# KiCad board handheld.kicad_pcb (continued)
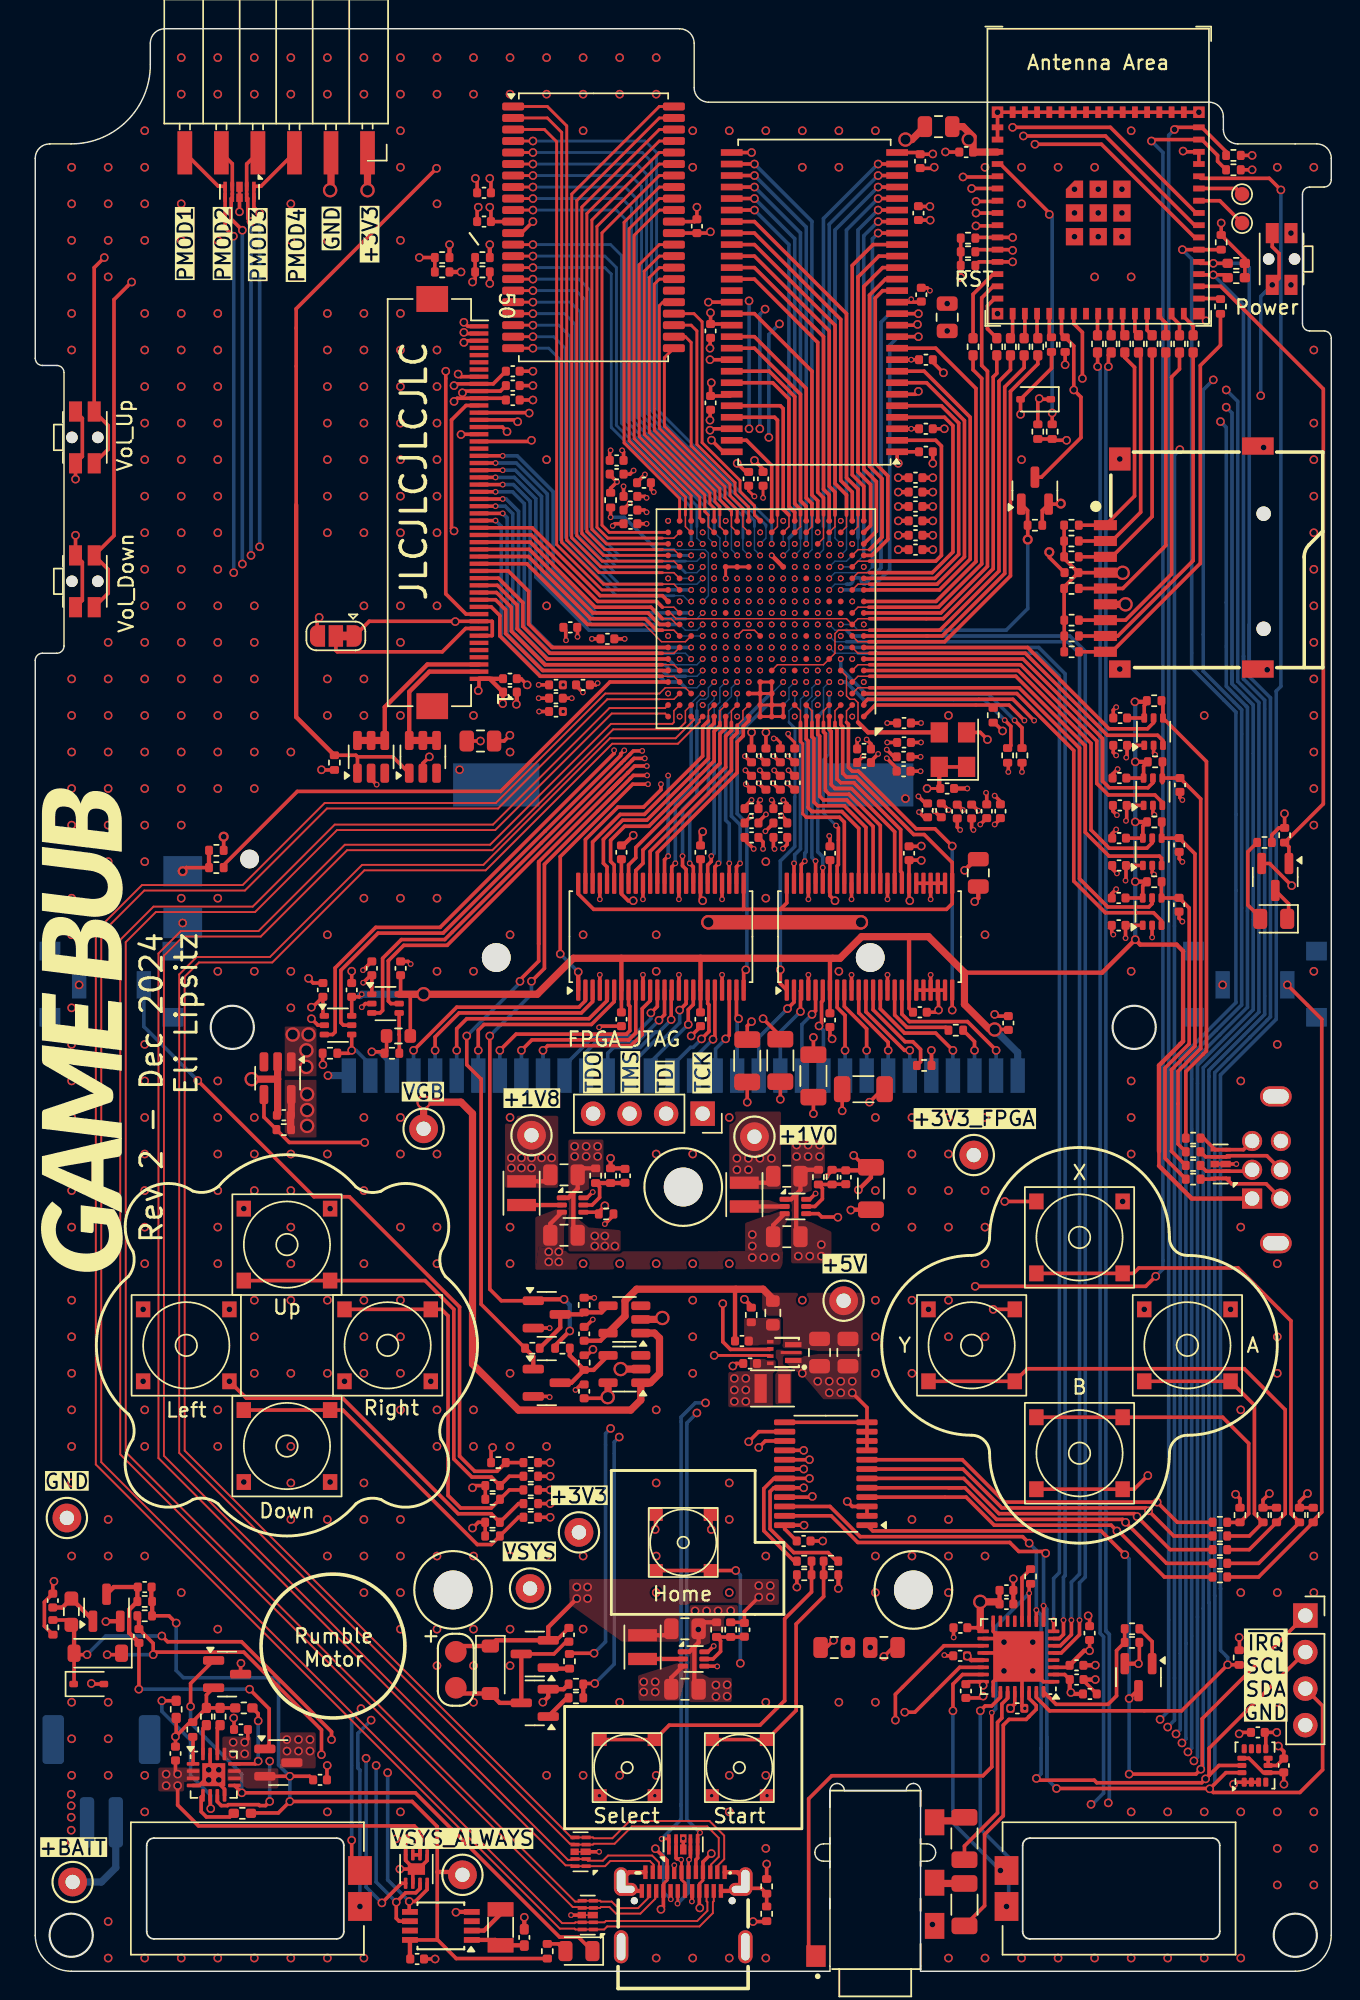
[diagram p0: board, top side]
## Routing (per net, layer and track width the routed paths; a pad name or vN(x,y) marks a point on that pad's centre or on a via; arc(x,y) is an arc through that point) (continued)
/Game Boy Interfaces/Game Boy Cartridge/Cart_A19: length 14.2
  F.Cu (SIG) w0.25: U1902.8 41.25,67.15 41.34,67.06 41.34,65.37 41.1,65.13 33.43,65.13 v1(32.3,64)
  B.Cu (SIG) w0.25: J1901.25 v1(32.3,64)
/Game Boy Interfaces/Game Boy Cartridge/Cart_A20: length 14.2
  F.Cu (SIG) w0.25: U1902.6 40.25,67.38 38.67,65.8 31.2,65.8 30.8,65.4 v1(30.8,64)
  B.Cu (SIG) w0.25: J1901.26 v1(30.8,64)
/Game Boy Interfaces/Game Boy Cartridge/Cart_A21: length 15.2
  F.Cu (SIG) w0.25: U1902.5 39.75,67.45 38.5,66.2 30,66.2 29.3,65.5 v1(29.3,64)
  B.Cu (SIG) w0.25: J1901.27 v1(29.3,64)
/Game Boy Interfaces/Game Boy Cartridge/Cart_A22: length 15.5
  F.Cu (SIG) w0.25: U1902.3 38.75,67.38 37.97,66.6 29.47,66.6 27.8,64.93 v1(27.8,64)
  B.Cu (SIG) w0.25: J1901.28 v1(27.8,64)
/Game Boy Interfaces/Game Boy Cartridge/Cart_A23: length 15.9
  F.Cu (SIG) w0.25: U1902.2 38.25,67.45 37.8,67 29.3,67 v1(26.3,64)
  B.Cu (SIG) w0.25: J1901.29 v1(26.3,64)
/Game Boy Interfaces/Game Boy Cartridge/Cart_AD0: length 7.4
  F.Cu (SIG) w0.25: v1(60.8,64) 60.43,64 57.75,66.68 U1904.12
  B.Cu (SIG) w0.25: J1901.6 v1(60.8,64)
/Game Boy Interfaces/Game Boy Cartridge/Cart_AD1: length 6.8
  F.Cu (SIG) w0.25: U1904.11 57.25,66.61 59.3,64.56 v1(59.3,64)
  B.Cu (SIG) w0.25: J1901.7 v1(59.3,64)
/Game Boy Interfaces/Game Boy Cartridge/Cart_AD2: length 6.6
  F.Cu (SIG) w0.25: v1(57.8,64) 57.8,65.5 56.25,67.05 U1904.9
  B.Cu (SIG) w0.25: J1901.8 v1(57.8,64)
/Game Boy Interfaces/Game Boy Cartridge/Cart_AD3: length 6.2
  F.Cu (SIG) w0.25: U1904.8 55.75,66.98 56.3,66.43 v1(56.3,64)
  B.Cu (SIG) w0.25: J1901.9 v1(56.3,64)
/Game Boy Interfaces/Game Boy Cartridge/Cart_AD4: length 6.2
  F.Cu (SIG) w0.25: v1(54.49,65.7) 54.66,65.87 54.66,67.37 54.75,67.45 U1904.6
  B.Cu (SIG) w0.25: v1(54.49,65.7) 54.8,65.39 J1901.10
/Game Boy Interfaces/Game Boy Cartridge/Cart_AD5: length 6.3
  F.Cu (SIG) w0.25: v1(54,66.5) 54.25,66.75 U1904.5
  B.Cu (SIG) w0.25: v1(54,66.5) 53.3,65.8 J1901.11
/Game Boy Interfaces/Game Boy Cartridge/Cart_AD6: length 6.5
  F.Cu (SIG) w0.25: v1(53.2,66.7) 53.2,68.14 U1904.3
  B.Cu (SIG) w0.25: v1(53.2,66.7) 51.8,65.3 J1901.12
/Game Boy Interfaces/Game Boy Cartridge/Cart_AD7: length 7
  F.Cu (SIG) w0.25: U1904.2 52.75,67.35 v1(52.3,66.9)
  B.Cu (SIG) w0.25: J1901.13 50.3,64.9 v1(52.3,66.9)
/Game Boy Interfaces/Game Boy Cartridge/Cart_AD8: length 6
  F.Cu (SIG) w0.25: v1(48.9,66.2) 48.75,66.35 U1902.23
  B.Cu (SIG) w0.25: J1901.14 48.8,66.1 v1(48.9,66.2)
/Game Boy Interfaces/Game Boy Cartridge/Cart_AD9: length 6.3
  F.Cu (SIG) w0.25: U1902.22 48.25,65.05 v1(48,64.8)
  B.Cu (SIG) w0.25: v1(48,64.8) 47.3,64.1 J1901.15
/Game Boy Interfaces/Game Boy Cartridge/Cart_AD10: length 6.5
  F.Cu (SIG) w0.25: U1902.20 47.25,64.9 v1(47.12,64.77)
  B.Cu (SIG) w0.25: J1901.16 45.8,63.45 v1(47.12,64.77)
/Game Boy Interfaces/Game Boy Cartridge/Cart_AD11: length 7.1
  F.Cu (SIG) w0.25: v1(46.32,64.79) 46.84,65.31 46.84,67.17 46.75,67.25 U1902.19
  B.Cu (SIG) w0.25: J1901.17 44.3,62.95 45.56,64.21 45.73,64.21 v1(46.32,64.79)
/Game Boy Interfaces/Game Boy Cartridge/Cart_AD12: length 6.2
  F.Cu (SIG) w0.25: U1902.17 45.75,67.18 45.4,66.83 v1(45.4,65.8)
  B.Cu (SIG) w0.25: 42.8,63.2 v1(45.4,65.8)
/Game Boy Interfaces/Game Boy Cartridge/Cart_AD13: length 7.2
  F.Cu (SIG) w0.25: v1(44.8,66.8) 45.25,67.25 U1902.16
  B.Cu (SIG) w0.25: v1(44.8,66.8) 44.8,65.91 43.59,64.7 43.1,64.7 41.3,62.9
/Game Boy Interfaces/Game Boy Cartridge/Cart_AD14: length 9
  F.Cu (SIG) w0.25: v1(44.21,66.14) 44.21,68.15 U1902.14
  B.Cu (SIG) w0.25: J1901.20 39.8,63.8 40.2,64.2 42.04,64.2 43.12,65.28 43.37,65.28 44.21,66.13 v1(44.21,66.14)
/Game Boy Interfaces/Game Boy Cartridge/Cart_AD15: length 9.9
  F.Cu (SIG) w0.25: U1902.13 43.75,66.48 v1(43.36,66.09)
  B.Cu (SIG) w0.25: v1(43.36,66.09) 41.87,64.6 39.02,64.6 38.3,63.88 J1901.21
/Game Boy Interfaces/Game Boy Cartridge/Cart_PHI: length 11
  F.Cu (SIG) w0.25: v1(66.8,64) 66.8,64.01 64.81,66 60.77,66 60.25,66.52 U1904.17
  B.Cu (SIG) w0.25: J1901.2 v1(66.8,64)
/Game Boy Interfaces/Game Boy Cartridge/Cart_VIN: length 3.9
  F.Cu (SIG) w0.25: U1903.4 v1(22,64) 21.8,63.8 R1903.2
  B.Cu (SIG) w0.25: 23.3,63 22.3,64 v1(22,64)
/Game Boy Interfaces/Game Boy Cartridge/Cart_~{CS1}: length 7
  F.Cu (SIG) w0.25: U1904.13 58.25,66.82 60.47,64.6 61.01,64.6 61.55,64.06 61.55,63.21 R1902.1
/Game Boy Interfaces/Game Boy Cartridge/Cart_~{CS1}_d: length 2.8
  F.Cu (SIG) w0.25: v1(62.3,64) 62.31,63.99 R1902.2
  B.Cu (SIG) w0.25: J1901.5 v1(62.3,64)
/Game Boy Interfaces/Game Boy Cartridge/Cart_~{CS2}: length 2.8
  F.Cu (SIG) w0.25: U1901.4 25.3,65.1 25.31,65.09 R1905.2
/Game Boy Interfaces/Game Boy Cartridge/Cart_~{CS2}_d: length 3.6
  F.Cu (SIG) w0.25: v1(23.4,63.9) 24.19,63.9 ; R1904.2 24.42,63.94
  B.Cu (SIG) w0.25: 24.8,62.95 23.85,63.9 v1(23.4,63.9)
/Game Boy Interfaces/Game Boy Cartridge/Cart_~{RD}: length 9.3
  F.Cu (SIG) w0.25: v1(63.8,64) 62.6,65.2 60.44,65.2 58.75,66.89 U1904.14
  B.Cu (SIG) w0.25: J1901.4 v1(63.8,64)
/Game Boy Interfaces/Game Boy Cartridge/Cart_~{WR}: length 5.9
  F.Cu (SIG) w0.25: R1901.2 63.29,65.6 60.6,65.6 59.75,66.45 U1904.16
/Game Boy Interfaces/Game Boy Cartridge/Cart_~{WR}_d: length 3.5
  F.Cu (SIG) w0.25: R1901.1 65.3,64.61 v1(65.3,64)
  B.Cu (SIG) w0.25: J1901.3 v1(65.3,64)
/Game Boy Interfaces/Game Boy Link/Link_SC: length 32.2
  F.Cu (SIG) w0.25: R2004.2 79.99,62.52 81.43,63.96 81.43,84.08 U2004.4 78.4,88.21 78.38,88.22
/Game Boy Interfaces/Game Boy Link/Link_SC_a: length 4.2
  F.Cu (SIG) w0.25: J2001.5 84,57.1 D2001.5 D2001.6 81.22,57.9 R2004.1
/Game Boy Interfaces/Game Boy Link/Link_SD: length 30.1
  F.Cu (SIG) w0.25: R2006.2 78.35,84.04 U2002.4 ; R2003.2 79.44,57.5 79.44,60.3 79.45,60.3 79.45,62.55 81.03,64.12 81.03,81.48 C2001.1 U2002.4 ; U2002.4 78.35,82.6
/Game Boy Interfaces/Game Boy Link/Link_SD_a: length 6.2
  F.Cu (SIG) w0.25: J2001.4 85.62,56.67 82.88,56.67 D2001.4 D2001.7 81.36,56.6 R2003.1
/Game Boy Interfaces/Game Boy Link/Link_SI: length 26.9
  F.Cu (SIG) w0.25: R2007.2 78.31,79.86 U2003.4 ; U2003.4 78.31,78.54 ; U2003.4 79.53,78.75 C2002.1 80.62,77.66 80.62,64.29 79,62.66 79,56.99 R2002.2
/Game Boy Interfaces/Game Boy Link/Link_SI_a: length 3.8
  F.Cu (SIG) w0.25: J2001.3 84.5,55.6 D2001.2 D2001.9 81.41,55.6 R2002.1
/Game Boy Interfaces/Game Boy Link/Link_SO: length 23.5
  F.Cu (SIG) w0.25: R2005.2 78.29,75.7 U2001.4 79.51,74.59 C2003.1 80.22,73.89 80.22,64.45 78.55,62.78 78.55,56.49 R2001.2
/Game Boy Interfaces/Game Boy Link/Link_SO_a: length 6.2
  F.Cu (SIG) w0.25: J2001.2 85.57,54.72 83.18,54.72 D2001.1 D2001.10 81.97,55.05 R2001.1
/Game Boy Interfaces/SW_Cartridge_s: length 3.1
  F.Cu (SIG) w0.25: v4(10.25,76.45) 10.5,76.7 R1803.2
  F.Cu (SIG) w0.3: R1805.1 R1803.2
/Game Boy Interfaces/VGB_3V3_SW_En: length 6
  F.Cu (SIG) w0.3: R1804.2 37.16,42.79 R1806.2 ; R1806.2 38.81,41.79 39.82,42.8 ; R1806.2 37.27,40.9 Q1802.3
/Game Boy Interfaces/VGB_5V_SW_En: length 6.5
  F.Cu (SIG) w0.3: R1801.2 36.5,44.73 Q1801.3 38.02,45.65 R1802.2 39.37,45.79 39.82,46.25
/LCD/Backlight_Cathode_1: length 10.7
  F.Cu (SIG) w0.3: U1301.6 26,88.92 27.4,90.32 J1301.2
  F.Cu (SIG) w0.5: U1301.4 U1301.5 U1301.6
/LCD/Backlight_Cathode_2: length 12
  F.Cu (SIG) w0.3: U1302.4 24.3,87.86 27.26,90.82 J1301.3
  F.Cu (SIG) w0.5: U1302.6 U1302.5 U1302.4
/LCD/LCD_IM1: length 11.7
  F.Cu (SIG) w0.25: JP1301.2 20.9,91.8 21,91.7 28.3,91.7 29.92,93.32 J1301.8
/Peripherals/RTC_OSCI: length 3.8
  F.Cu (SIG) w0.3: U1502.1 31.97,2.18 Y1501.1 33.98,1.8 C1505.2
/Peripherals/RTC_OSCO: length 2.8
  F.Cu (SIG) w0.3: Y1501.2 32.35,3.97 31.2,2.82 30.35,2.82
/Peripherals/Vibrate_FET_g: length 2
  F.Cu (SIG) w0.3: R1503.2 36.97,19 Q1502.1
/Peripherals/Vibrate_N: length 12
  F.Cu (SIG) w0.25: Q1501.3 36.06,22.05 36.91,22.9 C1503.1
  F.Cu (SIG) w0.3: J1501.2 29.64,19.3 D1501.2 32.29,18.65 Q1502.3 Q1501.3
/Peripherals/~{Vibrate_Brake}_g: length 1.5
  F.Cu (SIG) w0.3: R1502.2 35.74,21.03 Q1501.1
/Power Path/BTN_Power_s: length 196.2
  F.Cu (SIG) w0.25: v1(19.9,15.05) 19.9,16.78 14.5,22.18 8.38,22.18 v1(8.2,22) 8.2,22.79 C207.2 ; D204.1 5.9,22 v1(5,22) ; SW201.1 86,119.85 86.47,119.38 86.47,117.67 v1(86,117.2)
  F.Cu (SIG) w0.3: C207.2 7.21,24.59
  In2.Cu (SIG) w0.25: v1(82.8,108.7) 84.4,108.7 v1(85.2,109.5) ; v1(19.9,15.05) 20.34,15.49 77.14,15.49 78.01,14.62 v1(80.55,14.62)
  B.Cu (SIG) w0.25: v1(80.55,14.62) 80.8,14.86 80.8,62.95 84.68,66.83 84.68,88 83.2,89.48 83.2,90.2 ; v1(8.2,22) v1(5,22) ; 83.2,90.2 83.2,89.5 ; 83.2,90.2 83.2,108.3 v1(82.8,108.7) ; v1(85.2,109.5) 85.2,116.4 v1(86,117.2)
/Power Path/Charge_LED_A: length 1.5
  F.Cu (SIG) w0.25: D201.2 36.36,1.9 R207.2
/Power Path/PWR_EN1: length 10.8
  F.Cu (SIG) w0.25: U202.6 12.16,11.34 v1(12.2,11.3) ; v1(8.8,18.8) R202.2
  B.Cu (SIG) w0.25: v1(8.8,18.8) 8.8,18.06 10.8,16.06 10.8,13.61 12.2,12.21 v1(12.2,11.3)
/Power Path/PWR_EN2: length 3.7
  F.Cu (SIG) w0.25: U202.5 11.54,12.1 11.54,11.09 11.9,10.72 13.53,10.72 13.8,11
/Power Path/PWR_ILIM: length 5.6
  F.Cu (SIG) w0.25: v1(15.5,17.4) 15.5,17.9 R205.1 ; v1(15.5,14.6) 15.31,14.41 U202.12
  B.Cu (SIG) w0.25: v1(15.5,14.6) v1(15.5,17.4)
/Power Path/PWR_ISET: length 2.1
  F.Cu (SIG) w0.25: R206.2 11.66,16.86 U202.16
/Power Path/PWR_SW_nFET_g: length 3.7
  F.Cu (SIG) w0.3: C205.2 1.89,25.28 R212.1 4.01,24.4
/Power Path/PWR_SW_pFET_g: length 22.5
  F.Cu (SIG) w0.25: v1(14.9,19.6) 16.26,18.24 16.26,15.75 Q202.1 ; v1(7.2,19.6) 7.21,19.61 C207.1
  F.Cu (SIG) w0.3: Q203.3 5.46,26.7 C206.2 ; 7.21,22.84 6.53,23.52 6.53,25.13 R210.2 7.1,26.67
  B.Cu (SIG) w0.25: v1(14.9,19.6) v1(7.2,19.6)
/Power Path/PWR_TMR: length 2.1
  F.Cu (SIG) w0.25: U202.14 12.66,16.91 R201.1
/Power Path/PWR_TS: length 1.9
  F.Cu (SIG) w0.25: R204.1 10.97,16.27 U202.1
/Power Path/~{CHG}: length 41
  F.Cu (SIG) w0.25: v1(10.8,18.4) 10.8,20 Q201.1 ; U202.9 v1(14.36,12.4) 26.42,12.4 36.45,2.38 37.76,2.38 D201.1
  B.Cu (SIG) w0.25: v1(14.36,12.4) 14.36,13.7 10.8,17.26 v1(10.8,18.4)
/Power Path/~{POWER_SW_a}: length 201.3
  F.Cu (SIG) w0.25: 2.51,24.07 2.17,24.41 R211.2 ; v1(68.5,108.2) D202.2 70.65,111.4 R213.1 ; v1(3.6,22) 2.8,22 D204.2 2.7,19.99 D203.1 ; v1(8.8,23.3) 9.2,22.9 14.34,22.9 20.6,16.64 v1(20.6,16.1)
  F.Cu (SIG) w0.3: D204.2 2.7,23.88
  In2.Cu (SIG) w0.25: v1(20.6,16.1) 20.81,15.89 77.3,15.89 77.95,15.24 v1(80.14,15.24) ; v1(82.4,107.7) 69,107.7 v1(68.5,108.2)
  B.Cu (SIG) w0.25: v1(8.8,23.3) 4.9,23.3 v1(3.6,22) ; v1(80.14,15.24) 80.4,15.5 80.4,63.12 84.28,66.99 84.28,87.84 82.8,89.31 82.8,107.3 v1(82.4,107.7)
/Power Regulators/Buck_1V0_FB: length 4.3
  F.Cu (SIG) w0.25: R301.2 R302.1 54.72,54.41 54.72,53.67 54.2,53.15 U301.5 ; C303.1 55.42,54.7
/Power Regulators/Buck_1V0_SW: length 2.8
  F.Cu (SIG) w0.3: U301.2 L301.1
/Power Regulators/Buck_1V8_FB: length 4.5
  F.Cu (SIG) w0.25: U303.5 38.71,53.25 39.24,53.78 39.24,54.5 R308.1
  F.Cu (SIG) w0.3: C310.1 40.98,54.78 R306.2 R308.1
/Power Regulators/Buck_1V8_SW: length 2.8
  F.Cu (SIG) w0.3: U303.2 L303.1
/Power Regulators/Buck_3V3_FB: length 4.4
  F.Cu (SIG) w0.25: C313.1 49.28,23.23 R309.2 R310.1 47.65,22.96 47.65,22.22 47.12,21.7 U304.5
/Power Regulators/Buck_3V3_SW: length 2.8
  F.Cu (SIG) w0.3: U304.2 L304.1
/USB/USB_CC1: length 8.2
  F.Cu (SIG) w0.2: J501.A5 44.42,7.35 v3(44.43,7.36)
  F.Cu (SIG) w0.25: v1(50.85,7.45) R501.1
  In2.Cu (SIG) w0.25: v3(44.43,7.36) 44.52,7.28 48.1,7.28 48.43,7.6 50.7,7.6 v1(50.85,7.45)
/USB/USB_CC2: length 6.6
  F.Cu (SIG) w0.25: J501.B5 45.67,4.87 v3(45.65,4.85) ; R502.1 50.82,3.45 v1(49.9,3.45)
  In2.Cu (SIG) w0.25: v1(49.9,3.45) 49.05,3.45 47.53,4.97 45.78,4.97 v3(45.65,4.85)
BATT_CHG: length 177.3
  F.Cu (SIG) w0.25: R208.2 U401.35 v1(79.75,119.65) ; Q201.3 14.28,21.38 v1(14.3,21.4)
  In2.Cu (SIG) w0.25: v1(79.31,16.49) 79.21,16.39 77.93,16.39 77.63,16.69 76.9,16.69 ; v1(14.3,21.4) 14.3,21.3 18.3,17.3 20.9,17.3 21.51,16.69 77.1,16.69
  B.Cu (SIG) w0.25: v1(79.75,119.65) 80.4,119 80.4,90.58 83.47,87.51 83.47,67.33 79.6,63.45 79.6,16.78 v1(79.31,16.49)
BTN_A: length 112.1
  F.Cu (SIG) w0.25: 57.82,34.9 64.5,34.9 67.2,32.2 77.2,32.2 v1(77.4,32) 79.15,30.25 R1612.1
  In2.Cu (SIG) w0.1: v3(54.4,96.8) 54.8,97.2 58,97.2
  In2.Cu (SIG) w0.25: v1(77.4,32) 74,35.4 74,96.8 73.6,97.2 58,97.2
BTN_B: length 112.6
  F.Cu (SIG) w0.25: R1616.1 79.4,31.2 v1(78,32.6) 67.4,32.6 64.45,35.55 57.82,35.55
  In2.Cu (SIG) w0.1: v3(54.4,97.6) 54.8,98 58,98
  In2.Cu (SIG) w0.25: 58,98 74,98 74.4,97.6 74.4,36.2 v1(78,32.6)
BTN_Down: length 114.2
  F.Cu (SIG) w0.25: R1615.1 v1(35.8,31.55) ; U1601.18 v1(53.43,34.9)
  In2.Cu (SIG) w0.1: v3(54.4,92.8) 54.8,92.4 58,92.4
  In2.Cu (SIG) w0.25: 35.8,31.6 v1(35.8,31.55) 35.8,31.57 38.88,34.65 53.05,34.65 53.3,34.9 v1(53.43,34.9) 57.32,34.9 58.12,34.1 70.5,34.1 71.6,35.2 71.6,91.4 70.6,92.4 58,92.4
BTN_Home: length 19.8
  F.Cu (SIG) w0.25: R1621.1 v1(70.7,108.3) ; v1(70.5,122.1) 70.5,122.2 67.1,125.6 U401.4
  B.Cu (SIG) w0.25: v1(70.7,108.3) 70.7,121.9 v1(70.5,122.1)
BTN_L: length 107.3
  F.Cu (SIG) w0.25: R1624.1 v1(35.8,35.35) ; U1601.14 50.3,37.5 v1(49.6,36.8)
  In2.Cu (SIG) w0.1: v3(53.6,90.4) 54.03,89.97 54.03,89.44 54.27,89.2 58,89.2
  In2.Cu (SIG) w0.25: v1(35.8,35.35) 36.7,36.25 49.05,36.25 v1(49.6,36.8) 49.97,37.17 58.22,37.17 58.69,36.7 68.9,36.7 70,37.8 70,88.2 69,89.2 58,89.2
BTN_Left: length 113
  F.Cu (SIG) w0.25: R1609.1 v1(35.8,32.5) ; U1601.17 v1(53.82,35.55)
  In2.Cu (SIG) w0.1: 58,91.6 54,91.6 v3(53.6,92)
  In2.Cu (SIG) w0.25: 58,91.6 70.2,91.6 71.2,90.6 71.2,36 69.95,34.75 58.28,34.75 57.47,35.55 v1(53.82,35.55) 53.1,35.55 52.6,35.05 38.35,35.05 v1(35.8,32.5) 35.9,32.5
BTN_R: length 109.9
  F.Cu (SIG) w0.25: R1627.1 78.5,27.4 75.3,30.6 v1(75.2,30.6) 74.8,31 66.67,31 64.72,32.95 57.82,32.95
  In2.Cu (SIG) w0.1: 58,94.8 54.8,94.8 v3(54.4,95.2)
  In2.Cu (SIG) w0.25: 58,94.8 72.4,94.8 72.8,94.4 72.8,32.84 75.04,30.6 v1(75.2,30.6)
BTN_Right: length 109.2
  F.Cu (SIG) w0.25: U1601.16 v1(53.43,36.2) ; R1610.1 v1(35.8,33.45)
  In2.Cu (SIG) w0.1: 58,90.8 54.8,90.8 v3(54.4,91.2)
  In2.Cu (SIG) w0.25: 58,90.8 69.8,90.8 70.8,89.8 70.8,36.8 69.4,35.4 58.6,35.4 57.8,36.2 v1(53.43,36.2) 53.05,36.2 52.3,35.45 37.8,35.45 v1(35.8,33.45)
BTN_Select: length 104.4
  F.Cu (SIG) w0.25: v1(53.82,34.25) U1601.19 51.36,34.25 50.65,33.54 50.65,30.61 52.76,28.5 R1620.1
  In2.Cu (SIG) w0.1: 58,93.2 54.8,93.2 v3(54.4,93.6)
  In2.Cu (SIG) w0.25: 58,93.2 71.2,93.2 72,92.4 72,34.6 70.85,33.45 57.78,33.45 56.97,34.25 v1(53.82,34.25)
BTN_Start: length 108.3
  F.Cu (SIG) w0.25: v1(53.43,33.6) U1601.20 51.35,33.6 51.09,33.34 51.09,30.74 52.73,29.09 55.12,29.09 55.71,28.5 R1622.1
  In2.Cu (SIG) w0.1: 58,94 54.8,94 v3(54.4,94.4)
  In2.Cu (SIG) w0.25: v1(53.43,33.6) 57.06,33.6 57.86,32.8 71.2,32.8 72.4,34 72.4,93.4 71.8,94 58,94
BTN_Up: length 107.4
  F.Cu (SIG) w0.25: U1601.15 50.75,36.85 v1(50.3,36.4) ; R1603.1 v1(35.8,34.4)
  In2.Cu (SIG) w0.1: v3(54.4,90.4) 54.8,90 58,90
  In2.Cu (SIG) w0.25: v1(35.8,34.4) 37.25,35.85 49.75,35.85 v1(50.3,36.4) 50.68,36.78 58.05,36.78 58.78,36.05 69.05,36.05 70.4,37.4 70.4,89 69.4,90 58,90
BTN_VOL_DOWN: length 65
  F.Cu (SIG) w0.25: v1(69.5,126.97) 74.12,126.97 80.6,120.5 U401.36
  F.Cu (SIG) w0.3: v1(31.6,120) R1630.1
  In2.Cu (SIG) w0.25: v1(31.6,120) 30.8,120 29.7,121.1 29.7,128 30.3,128.6 64.97,128.6 66.59,126.97 v1(69.5,126.97)
BTN_VOL_UP: length 64.7
  F.Cu (SIG) w0.25: v1(68.7,127.55) 74.4,127.55 80.6,121.35 U401.37
  F.Cu (SIG) w0.3: v1(28.8,120) R1628.1
  In2.Cu (SIG) w0.25: v1(68.7,127.55) 66.58,127.55 65.13,129 29.6,129 28.8,128.2 v1(28.8,120)
BTN_X: length 112.2
  F.Cu (SIG) w0.25: 63.5,33.6 64.4,33.6 ; 63.5,33.6 57.82,33.6 ; 63.5,33.6 64.63,33.6 66.83,31.4 75.6,31.4 v1(75.8,31.2) 78.65,28.35 R1604.1
  In2.Cu (SIG) w0.1: 58,95.6 54,95.6 v3(53.6,95.2)
  In2.Cu (SIG) w0.25: 58,95.6 72.8,95.6 73.2,95.2 73.2,33.63 75.63,31.2 v1(75.8,31.2)
BTN_Y: length 112.2
  F.Cu (SIG) w0.25: 57.82,34.25 64.55,34.25 67,31.8 76.4,31.8 v1(76.6,31.6) 78.9,29.3 R1611.1
  In2.Cu (SIG) w0.1: v3(53.6,96) 54,96.4 58,96.4
  In2.Cu (SIG) w0.25: 58,96.4 73.2,96.4 73.6,96 73.6,34.4 76.4,31.6 v1(76.6,31.6)
DAC_BCLK: length 84
  F.Cu (SIG) w0.25: v3(71.49,24.4) 71.49,23.41 71.2,23.12 U1701.7
  B.Cu (SIG) w0.25: v3(71.49,24.4) 71.49,27.39 71.6,27.5 71.6,90.17 69.77,92 v3(56,92)
DAC_DIN: length 89.4
  F.Cu (SIG) w0.25: v3(72.6,24.4) 72.6,23.39 71.33,22.12 U1701.5
  B.Cu (SIG) w0.1: 56.4,93.2 55.6,93.2 v3(55.2,93.6)
  B.Cu (SIG) w0.25: v3(72.6,24.4) 72.6,27 73,27.4 73,91.73 71.93,92.8 56.8,92.8 56.4,93.2
DAC_MCLK: length 83.4
  F.Cu (SIG) w0.25: U1701.8 v3(70.8,24.4)
  B.Cu (SIG) w0.1: 57.2,91.6 55.6,91.6 v3(55.2,92)
  B.Cu (SIG) w0.25: 57.2,91.6 69.6,91.6 71.2,90 71.2,27.7 70.8,27.3 v3(70.8,24.4)
DAC_WCLK: length 87.9
  F.Cu (SIG) w0.25: U1701.6 71.27,22.62 72.04,23.39 v3(72.04,24.4)
  B.Cu (SIG) w0.1: 56.4,92.4 55.6,92.4 v3(55.2,92.8)
  B.Cu (SIG) w0.25: 56.4,92.4 71.77,92.4 72.6,91.57 72.6,27.6 72.04,27.04 v3(72.04,24.4)
DAC_~{RESET}: length 126.8
  F.Cu (SIG) w0.25: U1701.31 69.6,19.02 70.52,18.1 79.7,18.1 v1(82.9,21.3) 83.69,21.3 R1701.1 ; v1(86.6,123.8) 85.79,124.61 81.04,124.61 U401.41
  B.Cu (SIG) w0.25: v1(82.9,21.3) 82.9,21.81 82.41,22.3 82.41,26.59 82.4,26.6 82.4,62.29 86.28,66.17 86.28,88.97 86.6,89.3 v1(86.6,123.8)
FPGA_CLK_50MHz: length 10.2
  F.Cu (SIG) w0.1: 57.2,86.8 57.2,88.17 56.97,88.4 56.63,88.4 56.4,88.63 56.4,90 U601.E3
  F.Cu (SIG) w0.3: 57.2,86.8 57.9,86.1 X701.3
FPGA_DONE: length 42.1
  F.Cu (SIG) w0.25: v1(67.95,120.5) U401.10 ; U401.10 66.85,120.45 ; U401.10 65.41,120.5 R701.1
  In2.Cu (SIG) w0.1: v3(50.4,97.6) 50.8,98 50.8,99.6 51.2,100
  In2.Cu (SIG) w0.25: v1(49.62,107.2) 49.62,106.38 51.2,104.8 51.2,100 ; v1(49.62,116.09) 51.63,118.1 62.2,118.1 64.6,120.5 v1(67.95,120.5)
  B.Cu (SIG) w0.25: v1(49.62,107.2) 49.62,115.89
FPGA_INIT_B: length 38.6
  F.Cu (SIG) w0.25: v1(67.95,118.8) U401.12 65.61,118.8 R702.1
  In2.Cu (SIG) w0.1: 52.4,101.2 52.4,98 v3(52.8,97.6)
  In2.Cu (SIG) w0.25: v1(51.74,114.49) 54.55,117.3 62.95,117.3 64.3,118.65 67.8,118.65 v1(67.95,118.8) ; 52.4,101.2 52,101.6 52,105.6 v1(51,106.6)
  B.Cu (SIG) w0.25: v1(51.74,114.49) 51,113.75 v1(51,106.6)
FPGA_POWER_EN: length 129.8
  F.Cu (SIG) w0.25: R305.1 82.2,125.79 82.2,126.2 81.1,127.3 U401.44 77.7,127.3 v1(77.6,127.2) ; v1(77.9,48.3) 77.2,47.6 v1(65.35,47.6) ; v1(55.8,52.4) 55.78,52.42 54.68,52.42 54.45,52.65 U301.4 ; U302.5 51.06,43.22 48.33,43.22 47.8,43.75 v1(47.8,46.4)
  In2.Cu (SIG) w0.25: v1(55.8,52.4) 55.8,48.6 ; 55.8,48.6 50,48.6 v1(47.8,46.4) ; 55.8,48.6 64.35,48.6 v1(65.35,47.6)
  B.Cu (SIG) w0.25: v1(77.6,127.2) 78.4,126.4 78.4,48.8 v1(77.9,48.3)
FPGA_PROGRAM_B: length 40.3
  F.Cu (SIG) w0.25: R703.1 65.51,119.65 U401.11 67.9,119.65 v1(67.95,119.6)
  In2.Cu (SIG) w0.1: v3(51.2,97.6) 51.6,98 51.6,101.2
  In2.Cu (SIG) w0.25: v1(50.37,107.2) 50.37,106.19 51.6,104.97 51.6,101.2 ; v1(67.95,119.6) 67.85,119.5 64.35,119.5 62.55,117.7 52.92,117.7 v1(50.74,115.52)
  B.Cu (SIG) w0.25: v1(50.37,107.2) 50.37,115.15 v1(50.74,115.52)
FPGA_SPI_CLK: length 34.8
  F.Cu (SIG) w0.1: U601.E9 51.6,90.8 54.8,90.8 U601.F4 55.6,91.6 55.6,92.97 55.83,93.2 58,93.2
  F.Cu (SIG) w0.25: 58,93.2 62.89,93.2 67,97.31 67,110.5 67.8,111.3 R410.2
FPGA_SPI_D0: length 39.5
  F.Cu (SIG) w0.1: U601.K18 44.15,94.4 44.55,94 56.4,94 U601.J2 57.2,94 58,94
  F.Cu (SIG) w0.25: R409.2 66.85,111.05 66.6,110.8 66.6,97.47 63.13,94 58,94
FPGA_SPI_D1: length 27.3
  F.Cu (SIG) w0.25: U601.H1 63.06,92.8 67.4,97.14 67.4,110.1 68.75,111.45 R411.2
FPGA_SPI_D2: length 29.2
  F.Cu (SIG) w0.1: U601.H2 57.2,92.4 57.95,92.4
  F.Cu (SIG) w0.25: 57.95,92.4 63.22,92.4 67.8,96.98 67.8,109.8 69.7,111.7 R413.2
FPGA_SPI_D3: length 25.2
  F.Cu (SIG) w0.1: 57.95,94.8 57.2,94.8 U601.K2
  F.Cu (SIG) w0.25: R408.2 65.2,111.3 65.8,110.7 65.8,97.81 62.79,94.8 57.95,94.8
FPGA_SPI_~{CS}: length 30.2
  F.Cu (SIG) w0.25: U401.14 66.6,117.1 65.8,116.3 65.8,111.6 66.2,111.2 66.2,97.64 62.96,94.4 U601.K1
GB_3V3_Enable: length 63.2
  F.Cu (SIG) w0.25: v1(34.5,68.8) 35.4,69.7 35.4,76.93 41.58,83.11 v3(42.54,83.11) ; v1(31.6,65) 31.6,47.4 32.4,46.6 Q1801.1
  F.Cu (SIG) w0.3: v1(37.16,44.5) 36.14,43.48 R1804.1 ; v1(36.76,46.7) 34.72,46.7
  In2.Cu (SIG) w0.1: v3(48,92) 47.6,91.6 44.4,91.6
  In2.Cu (SIG) w0.25: 44.4,91.6 43.5,90.7 43.5,84.07 v3(42.54,83.11)
  B.Cu (SIG) w0.25: v1(31.6,65) 34.5,67.9 v1(34.5,68.8)
  B.Cu (SIG) w0.3: v1(37.16,44.5) 37.16,46.3 v1(36.76,46.7)
GB_5V_Enable: length 70
  F.Cu (SIG) w0.25: v1(33.7,68.8) 33.7,68.9 35,70.2 35,71.4 ; R1801.1 31,46.35 31,62 30,63 v1(30,65) ; v3(42.52,83.76) 41.66,83.76 39.85,81.95 40.75,82.85 35,77.1 ; 35,71.4 35,77.1 ; 35,71.4 35,77.1
  F.Cu (SIG) w0.3: Q1802.1 34.62,42.73 R1801.1
  In2.Cu (SIG) w0.1: v3(47.2,92) 46.8,92.4 45.2,92.4
  In2.Cu (SIG) w0.25: v3(42.52,83.76) 43.1,84.34 43.1,90.87 44.63,92.4 45.2,92.4
  B.Cu (SIG) w0.25: v1(33.7,68.8) 33.7,68.7 v1(30,65)
GB_Cart_A16: length 14.2
  F.Cu (SIG) w0.25: U1902.37 43.25,77.75 48.8,83.3 48.8,85.44 49.22,85.86 49.22,86.53 49.6,86.9 U601.A11
GB_Cart_A17: length 15.2
  F.Cu (SIG) w0.1: 48.8,86.6 49.2,87 49.2,87.6 U601.B11
  F.Cu (SIG) w0.25: U1902.38 42.75,77.83 48.4,83.47 48.4,85.67 48.8,86.07 48.8,86.6
GB_Cart_A18: length 15.3
  F.Cu (SIG) w0.1: 48.4,86.8 48.4,87.6 U601.B12
  F.Cu (SIG) w0.25: U1902.40 41.75,76.5 42.25,77 42.25,77.92 48,83.67 48,85.84 48.4,86.24 48.4,86.8
GB_Cart_A19: length 14.4
  F.Cu (SIG) w0.25: U1902.41 41.25,76.88 41.75,77.38 41.75,78.1 47.6,83.95 47.6,86 48,86.4 U601.A13
GB_Cart_A20: length 16.8
  F.Cu (SIG) w0.1: 47.6,86.8 47.6,87.6 U601.B13
  F.Cu (SIG) w0.25: U1902.43 40.25,76.88 40,77.13 40,78.6 40.97,79.58 42.66,79.58 47.2,84.12 47.2,86.17 47.6,86.57 47.6,86.8
GB_Cart_A21: length 15.9
  F.Cu (SIG) w0.25: U601.A14 47.2,86.73 46.8,86.33 46.8,84.28 42.52,80 40.83,80 39.5,78.67 39.5,77 39.75,76.75 U1902.44
GB_Cart_A22: length 16.9
  F.Cu (SIG) w0.1: 46.8,86.9 46.8,87.6 U601.B14
  F.Cu (SIG) w0.25: U1902.46 38.75,78.48 40.67,80.4 42.35,80.4 46.4,84.45 46.4,86.5 46.8,86.9
GB_Cart_A23: length 24.4
  F.Cu (SIG) w0.25: v3(43.5,82.5) 43.5,82.11 42.29,80.91 40.51,80.91 38.25,78.65 U1902.47
  In2.Cu (SIG) w0.1: 45.9,88.3 46,88.4 46,88.93 46.24,89.17 46.51,89.17 46.8,89.47 46.8,89.73 47.07,90 47.33,90 47.6,90.27 47.6,90.57 47.83,90.8 48.17,90.8 48.4,91.03 48.4,93.2 v3(48,93.6)
  In2.Cu (SIG) w0.25: 45.9,88.3 45.9,84.1 44.3,82.5 v3(43.5,82.5)
GB_Cart_AD0: length 15.2
  F.Cu (SIG) w0.1: 54,86.8 54,87.6 U601.B6
  F.Cu (SIG) w0.25: U1904.37 57.75,79.49 56.24,81 54.4,81 54.13,81.27 54.13,85.67 54,85.81 54,86.8
GB_Cart_AD1: length 14.3
  F.Cu (SIG) w0.25: U1904.38 57.25,79.43 56.08,80.6 54,80.6 53.74,80.86 53.74,85.51 53.6,85.64 U601.A6
GB_Cart_AD2: length 15.2
  F.Cu (SIG) w0.1: 53.2,86.8 53.2,87.6 U601.B7
  F.Cu (SIG) w0.2: 53.2,85.47 53.36,85.31 53.36,80.44 53.6,80.2
  F.Cu (SIG) w0.25: U1904.40 56.25,79.86 55.91,80.2 53.6,80.2 ; 53.2,86.8 53.2,85.47
GB_Cart_AD3: length 13.8
  F.Cu (SIG) w0.25: U1904.41 55.75,76.82 55.84,76.9 55.84,79.46 v3(55.68,79.62)
  B.Cu (SIG) w0.2: v3(55.2,88.8) 55.2,84.6 54.8,84.2 54.8,80.5 v3(55.68,79.62)
GB_Cart_AD4: length 14.5
  F.Cu (SIG) w0.25: U1904.43 v3(54.75,76.7)
  B.Cu (SIG) w0.1: 54.8,87.6 54.8,89.2 v3(55.2,89.6)
  B.Cu (SIG) w0.25: v3(54.75,76.7) 54.75,77.45 54.4,77.8 54.4,87.2 54.8,87.6
GB_Cart_AD5: length 13.5
  F.Cu (SIG) w0.25: U1904.44 v3(54.25,77.15)
  B.Cu (SIG) w0.1: 54,87.6 54,88.25 54.4,88.65 v3(54.4,88.8)
  B.Cu (SIG) w0.25: v3(54.25,77.15) 54,77.4 54,87.6
GB_Cart_AD6: length 14.5
  F.Cu (SIG) w0.25: v3(53.5,77.15) 53.25,76.9 U1904.46
  B.Cu (SIG) w0.1: 53.6,88 53.6,88.2 54,88.6 54,89.2 v3(54.4,89.6)
  B.Cu (SIG) w0.25: v3(53.5,77.15) 53.5,77.7 53.6,77.8 53.6,88
GB_Cart_AD7: length 13.5
  F.Cu (SIG) w0.25: U1904.47 v3(52.75,77)
  B.Cu (SIG) w0.1: v3(53.6,88.8) 53.2,88.4 53.2,86.8
  B.Cu (SIG) w0.25: 53.2,86.8 53.2,78 52.8,77.6 52.8,77.05 v3(52.75,77)
GB_Cart_AD8: length 15.9
  F.Cu (SIG) w0.25: U1902.26 48.75,76.75 v3(49,77)
  B.Cu (SIG) w0.1: v3(52,89.6) 51.2,88.8
  B.Cu (SIG) w0.25: v3(49,77) 49,79.68 48.4,80.28 48.4,86.08 51.12,88.8 51.2,88.8
GB_Cart_AD9: length 13.6
  F.Cu (SIG) w0.25: U1902.27 v3(48.25,77)
  B.Cu (SIG) w0.1: v3(48.8,88.8) 48.8,88 48,87.2
  B.Cu (SIG) w0.25: 48,87.2 48,80 48.25,79.75 v3(48.25,77)
GB_Cart_AD10: length 14.6
  F.Cu (SIG) w0.25: v3(47.5,77) 47.25,76.75 U1902.29
  B.Cu (SIG) w0.1: 47.6,87.6 47.6,87.8 48.4,88.6 48.4,89.2 v3(48.8,89.6)
  B.Cu (SIG) w0.25: v3(47.5,77) 47.6,77.1 47.6,87.6
GB_Cart_AD11: length 14.5
  F.Cu (SIG) w0.25: U1902.30 46.75,76.88 47,77.13 v3(47,77.5)
  B.Cu (SIG) w0.1: 47.2,87.2 47.2,87.8 47.6,88.2 47.6,89.2 v3(48,89.6)
  B.Cu (SIG) w0.25: v3(47,77.5) 47.2,77.7 47.2,87.2
GB_Cart_AD12: length 14
  F.Cu (SIG) w0.25: v3(45.5,77) 45.75,76.75 U1902.32
  B.Cu (SIG) w0.1: 46.8,87.2 46.8,88 47.2,88.4 v3(47.2,88.8)
  B.Cu (SIG) w0.25: v3(45.5,77) 45.5,80.5 46.8,81.8 46.8,87.2
GB_Cart_AD13: length 15.2
  F.Cu (SIG) w0.25: U1902.33 45.25,76.58 45,76.83 v3(45,77.5)
  B.Cu (SIG) w0.1: 46,87.6 46,88.17 46.23,88.4 46.6,88.4 46.8,88.6 46.8,89.2 v3(47.2,89.6)
  B.Cu (SIG) w0.25: 46,87.6 46,81.75 45,80.75 v3(45,77.5)